# KiCad board Omega-D.kicad_pcb (continued)
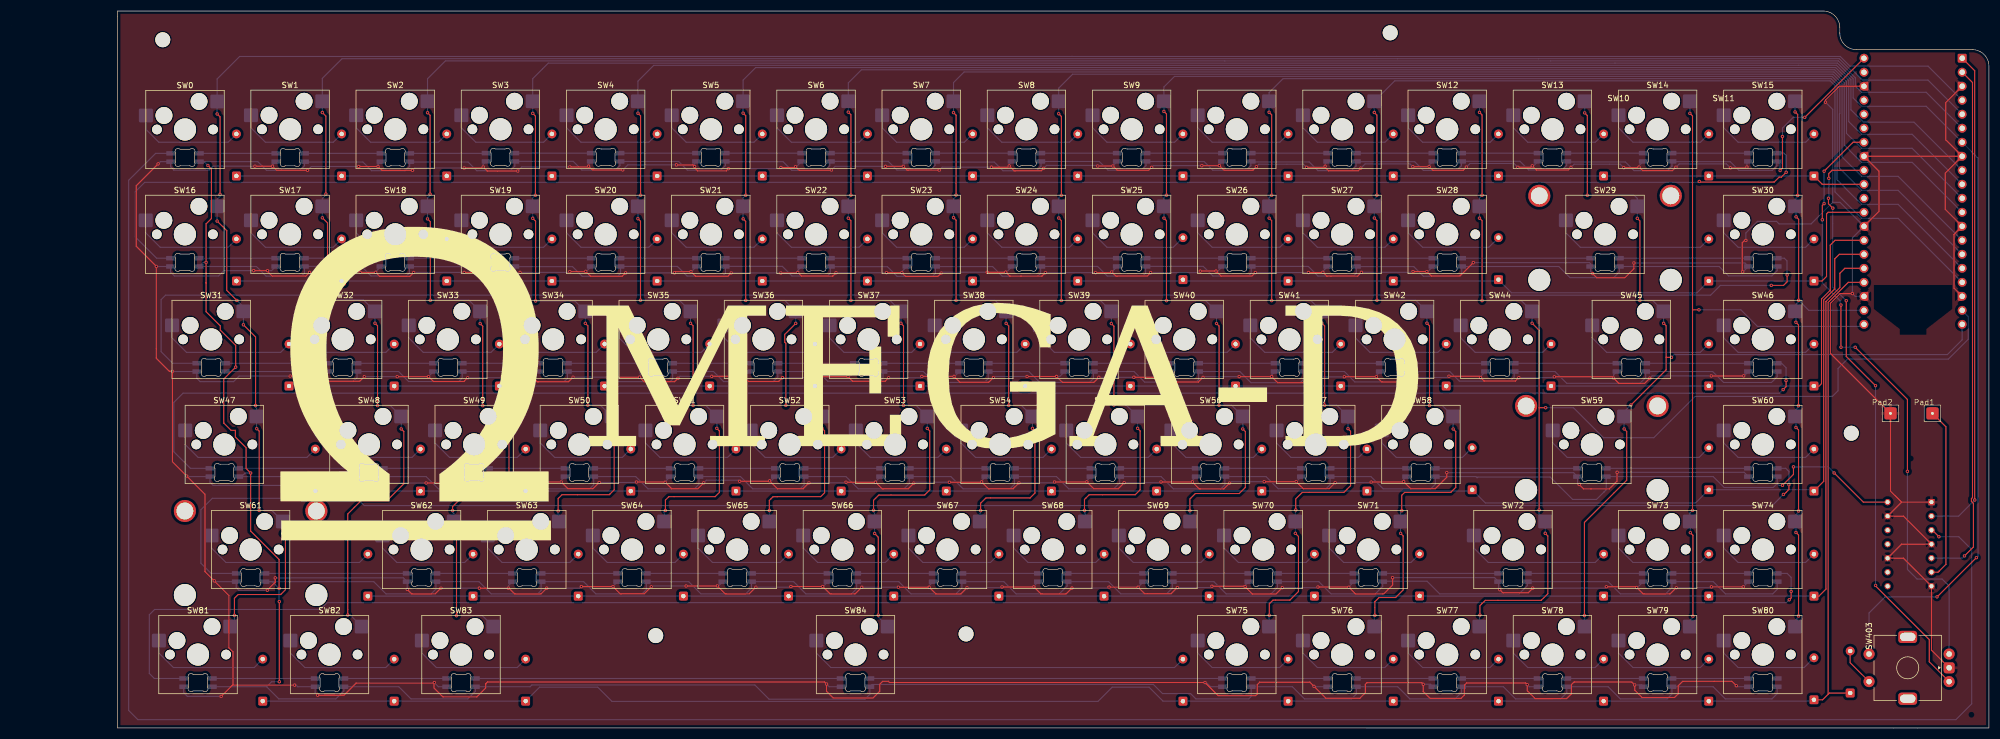
[diagram p0: board, top side]
## Nets
3V3: A2.36
3V3_EN: A2.37
GND: A2.3 A2.8 A2.13 A2.18 A2.23 A2.28 A2.33 A2.38 LED1.4 LED2.4 LED3.4 LED4.4 LED5.4 LED6.4 LED7.4 LED8.4 LED9.4 LED10.4 LED11.4 LED12.4 LED13.4 LED14.4 LED15.4 LED16.4 LED17.4 LED18.4 LED19.4 LED20.4 LED21.4 LED22.4 LED23.4 LED24.4 LED25.4 LED26.4 LED27.4 LED28.4 LED29.4 LED30.4 LED31.4 LED32.4 LED33.4 LED34.4 LED35.4 LED36.4 LED37.4 LED38.4 LED39.4 LED40.4 LED41.4 LED42.4 LED43.4 LED44.4 LED45.4 LED46.4 LED47.4 LED48.4 LED49.4 LED50.4 LED51.4 LED52.4 LED53.4 LED54.4 LED55.4 LED56.4 LED57.4 LED58.4 LED59.4 LED60.4 LED61.4 LED62.4 LED63.4 LED64.4 LED65.4 LED66.4 LED67.4 LED68.4 LED69.4 LED70.4 LED71.4 LED72.4 LED73.4 LED74.4 LED75.4 LED76.4 LED77.4 LED78.4 LED79.4 LED80.4 LED81.4 LED82.4 LED83.4 LED84.4 Pad2.1 SW403.C U1.1 U1.4 U1.7 U1.10 U1.13
VBUS: A2.40 LED1.1 LED2.1 LED3.1 LED4.1 LED5.1 LED6.1 LED7.1 LED8.1 LED9.1 LED10.1 LED11.1 LED12.1 LED13.1 LED14.1 LED15.1 LED16.1 LED17.1 LED18.1 LED19.1 LED20.1 LED21.1 LED22.1 LED23.1 LED24.1 LED25.1 LED26.1 LED27.1 LED28.1 LED29.1 LED30.1 LED31.1 LED32.1 LED33.1 LED34.1 LED35.1 LED36.1 LED37.1 LED38.1 LED39.1 LED40.1 LED41.1 LED42.1 LED43.1 LED44.1 LED45.1 LED46.1 LED47.1 LED48.1 LED49.1 LED50.1 LED51.1 LED52.1 LED53.1 LED54.1 LED55.1 LED56.1 LED57.1 LED58.1 LED59.1 LED60.1 LED61.1 LED62.1 LED63.1 LED64.1 LED65.1 LED66.1 LED67.1 LED68.1 LED69.1 LED70.1 LED71.1 LED72.1 LED73.1 LED74.1 LED75.1 LED76.1 LED77.1 LED78.1 LED79.1 LED80.1 LED81.1 LED82.1 LED83.1 LED84.1 U1.14
1Y: LED1.3 U1.3
2Y: Pad1.1 U1.6
ADC_VREF: A2.35
Column0: A2.4 SW0.2 SW16.2 SW31.2 SW47.2 SW61.2 SW81.2
Column1: A2.5 SW1.2 SW17.2 SW32.2 SW48.2 SW82.2
Column2: A2.6 SW2.2 SW18.2 SW33.2 SW49.2 SW62.2 SW83.2
Column3: A2.7 SW3.2 SW19.2 SW34.2 SW50.2 SW63.2 SW403.S1
Column4: A2.9 SW4.2 SW20.2 SW35.2 SW51.2 SW64.2
Column5: A2.10 SW5.2 SW21.2 SW36.2 SW52.2 SW65.2
Column6: A2.11 SW6.2 SW22.2 SW37.2 SW53.2 SW66.2 SW84.2
Column7: A2.12 SW7.2 SW23.2 SW38.2 SW54.2 SW67.2
Column8: A2.14 SW8.2 SW24.2 SW39.2 SW55.2 SW68.2
Column9: A2.15 SW9.2 SW25.2 SW40.2 SW56.2 SW69.2
Column10: A2.16 SW10.2 SW26.2 SW41.2 SW57.2 SW70.2 SW75.2
Column11: A2.17 SW11.2 SW27.2 SW42.2 SW58.2 SW71.2 SW76.2
Column12: A2.19 SW12.2 SW28.2 SW44.2 SW72.2 SW77.2
Column13: A2.20 SW13.2 SW29.2 SW45.2 SW59.2 SW78.2
Column14: A2.21 SW14.2 SW73.2 SW79.2
Column15: A2.22 SW15.2 SW30.2 SW46.2 SW60.2 SW74.2 SW80.2
Encoder_A: A2.32 SW403.A
Encoder_B: A2.34 SW403.B
GPIO0: A2.1 U1.2
GPIO01: A2.2 U1.5
Row0: A2.31 D1.1 D2.1 D3.1 D4.1 D5.1 D6.1 D7.1 D8.1 D9.1 D10.1 D11.1 D12.1 D13.1 D14.1 D15.1 D43.1
Row1: A2.29 D16.1 D17.1 D18.1 D19.1 D20.1 D21.1 D22.1 D23.1 D24.1 D25.1 D26.1 D27.1 D28.1 D29.1 D30.1
Row2: A2.27 D31.1 D32.1 D33.1 D34.1 D35.1 D36.1 D37.1 D38.1 D39.1 D40.1 D41.1 D42.1 D44.1 D45.1 D46.1
Row3: A2.26 D47.1 D48.1 D49.1 D50.1 D51.1 D52.1 D53.1 D54.1 D55.1 D56.1 D57.1 D58.1 D59.1 D60.1
Row4: A2.25 D61.1 D62.1 D63.1 D64.1 D65.1 D66.1 D67.1 D68.1 D69.1 D71.1 D72.1 D73.1 D74.1 D75.1
Row5: A2.24 D70.1 D76.1 D77.1 D78.1 D79.1 D80.1 D81.1 D82.1 D83.1 D84.1 D85.1
RUN: A2.30
VSYS: A2.39
Net-(D1-A): D1.2 SW0.1
Net-(D2-A): D2.2 SW1.1
Net-(D3-A): D3.2 SW2.1
Net-(D4-A): D4.2 SW3.1
Net-(D5-A): D5.2 SW4.1
Net-(D6-A): D6.2 SW5.1
Net-(D7-A): D7.2 SW6.1
Net-(D8-A): D8.2 SW7.1
Net-(D9-A): D9.2 SW8.1
Net-(D10-A): D10.2 SW9.1
Net-(D11-A): D11.2 SW10.1
Net-(D12-A): D12.2 SW11.1
Net-(D13-A): D13.2 SW12.1
Net-(D14-A): D14.2 SW13.1
Net-(D15-A): D15.2 SW14.1
Net-(D16-A): D16.2 SW16.1
Net-(D17-A): D17.2 SW17.1
Net-(D18-A): D18.2 SW18.1
Net-(D19-A): D19.2 SW19.1
Net-(D20-A): D20.2 SW20.1
Net-(D21-A): D21.2 SW21.1
Net-(D22-A): D22.2 SW22.1
Net-(D23-A): D23.2 SW23.1
Net-(D24-A): D24.2 SW24.1
Net-(D25-A): D25.2 SW25.1
Net-(D26-A): D26.2 SW26.1
Net-(D27-A): D27.2 SW27.1
Net-(D28-A): D28.2 SW28.1
Net-(D29-A): D29.2 SW29.1
Net-(D30-A): D30.2 SW30.1
Net-(D31-A): D31.2 SW31.1
Net-(D32-A): D32.2 SW32.1
Net-(D33-A): D33.2 SW33.1
Net-(D34-A): D34.2 SW34.1
Net-(D35-A): D35.2 SW35.1
Net-(D36-A): D36.2 SW36.1
Net-(D37-A): D37.2 SW37.1
Net-(D38-A): D38.2 SW38.1
Net-(D39-A): D39.2 SW39.1
Net-(D40-A): D40.2 SW40.1
Net-(D41-A): D41.2 SW41.1
Net-(D42-A): D42.2 SW42.1
Net-(D43-A): D43.2 SW15.1
Net-(D44-A): D44.2 SW44.1
Net-(D45-A): D45.2 SW45.1
Net-(D46-A): D46.2 SW46.1
Net-(D47-A): D47.2 SW47.1
Net-(D48-A): D48.2 SW48.1
Net-(D49-A): D49.2 SW49.1
Net-(D50-A): D50.2 SW50.1
Net-(D51-A): D51.2 SW51.1
Net-(D52-A): D52.2 SW52.1
Net-(D53-A): D53.2 SW53.1
Net-(D54-A): D54.2 SW54.1
Net-(D55-A): D55.2 SW55.1
Net-(D56-A): D56.2 SW56.1
Net-(D57-A): D57.2 SW57.1
Net-(D58-A): D58.2 SW58.1
Net-(D59-A): D59.2 SW59.1
Net-(D60-A): D60.2 SW60.1
Net-(D61-A): D61.2 SW61.1
Net-(D62-A): D62.2 SW62.1
Net-(D63-A): D63.2 SW63.1
Net-(D64-A): D64.2 SW64.1
Net-(D65-A): D65.2 SW65.1
Net-(D66-A): D66.2 SW66.1
Net-(D67-A): D67.2 SW67.1
Net-(D68-A): D68.2 SW68.1
Net-(D69-A): D69.2 SW69.1
Net-(D70-A): D70.2 SW403.S2
Net-(D71-A): D71.2 SW70.1
Net-(D72-A): D72.2 SW71.1
Net-(D73-A): D73.2 SW72.1
Net-(D74-A): D74.2 SW73.1
Net-(D75-A): D75.2 SW74.1
Net-(D76-A): D76.2 SW75.1
Net-(D77-A): D77.2 SW76.1
Net-(D78-A): D78.2 SW77.1
Net-(D79-A): D79.2 SW78.1
Net-(D80-A): D80.2 SW79.1
Net-(D81-A): D81.2 SW80.1
Net-(D82-A): D82.2 SW81.1
Net-(D83-A): D83.2 SW82.1
Net-(D84-A): D84.2 SW83.1
Net-(D85-A): D85.2 SW84.1
Net-(LED1-DOUT): LED1.2 LED2.3
Net-(LED2-DOUT): LED2.2 LED3.3
Net-(LED3-DOUT): LED3.2 LED4.3
Net-(LED4-DOUT): LED4.2 LED5.3
Net-(LED5-DOUT): LED5.2 LED6.3
Net-(LED6-DOUT): LED6.2 LED7.3
Net-(LED7-DOUT): LED7.2 LED8.3
Net-(LED8-DOUT): LED8.2 LED9.3
Net-(LED10-DIN): LED9.2 LED10.3
Net-(LED10-DOUT): LED10.2 LED11.3
Net-(LED11-DOUT): LED11.2 LED12.3
Net-(LED12-DOUT): LED12.2 LED13.3
Net-(LED13-DOUT): LED13.2 LED14.3
Net-(LED14-DOUT): LED14.2 LED15.3
Net-(LED15-DOUT): LED15.2 LED16.3
Net-(LED16-DOUT): LED16.2 LED17.3
Net-(LED17-DOUT): LED17.2 LED18.3
Net-(LED18-DOUT): LED18.2 LED19.3
Net-(LED19-DOUT): LED19.2 LED20.3
Net-(LED20-DOUT): LED20.2 LED21.3
Net-(LED21-DOUT): LED21.2 LED22.3
Net-(LED22-DOUT): LED22.2 LED23.3
Net-(LED23-DOUT): LED23.2 LED24.3
Net-(LED24-DOUT): LED24.2 LED25.3
Net-(LED25-DOUT): LED25.2 LED26.3
Net-(LED26-DOUT): LED26.2 LED27.3
Net-(LED27-DOUT): LED27.2 LED28.3
Net-(LED28-DOUT): LED28.2 LED29.3
Net-(LED29-DOUT): LED29.2 LED30.3
Net-(LED30-DOUT): LED30.2 LED31.3
Net-(LED31-DOUT): LED31.2 LED32.3
Net-(LED32-DOUT): LED32.2 LED33.3
Net-(LED33-DOUT): LED33.2 LED34.3
Net-(LED34-DOUT): LED34.2 LED35.3
Net-(LED35-DOUT): LED35.2 LED36.3
Net-(LED36-DOUT): LED36.2 LED37.3
Net-(LED37-DOUT): LED37.2 LED38.3
Net-(LED38-DOUT): LED38.2 LED39.3
Net-(LED39-DOUT): LED39.2 LED40.3
Net-(LED40-DOUT): LED40.2 LED41.3
Net-(LED41-DOUT): LED41.2 LED42.3
Net-(LED42-DOUT): LED42.2 LED43.3
Net-(LED43-DOUT): LED43.2 LED44.3
Net-(LED44-DOUT): LED44.2 LED45.3
Net-(LED45-DOUT): LED45.2 LED46.3
Net-(LED46-DOUT): LED46.2 LED47.3
Net-(LED47-DOUT): LED47.2 LED48.3
Net-(LED48-DOUT): LED48.2 LED49.3
Net-(LED49-DOUT): LED49.2 LED50.3
Net-(LED50-DOUT): LED50.2 LED51.3
Net-(LED51-DOUT): LED51.2 LED52.3
Net-(LED52-DOUT): LED52.2 LED53.3
Net-(LED53-DOUT): LED53.2 LED54.3
Net-(LED54-DOUT): LED54.2 LED55.3
Net-(LED55-DOUT): LED55.2 LED56.3
Net-(LED56-DOUT): LED56.2 LED57.3
Net-(LED57-DOUT): LED57.2 LED58.3
Net-(LED58-DOUT): LED58.2 LED59.3
Net-(LED59-DOUT): LED59.2 LED60.3
Net-(LED60-DOUT): LED60.2 LED61.3
Net-(LED61-DOUT): LED61.2 LED62.3
Net-(LED62-DOUT): LED62.2 LED63.3
Net-(LED63-DOUT): LED63.2 LED64.3
Net-(LED64-DOUT): LED64.2 LED65.3
Net-(LED65-DOUT): LED65.2 LED66.3
Net-(LED66-DOUT): LED66.2 LED67.3
Net-(LED67-DOUT): LED67.2 LED68.3
Net-(LED68-DOUT): LED68.2 LED69.3
Net-(LED69-DOUT): LED69.2 LED70.3
Net-(LED70-DOUT): LED70.2 LED71.3
Net-(LED71-DOUT): LED71.2 LED72.3
Net-(LED72-DOUT): LED72.2 LED73.3
Net-(LED73-DOUT): LED73.2 LED74.3
Net-(LED74-DOUT): LED74.2 LED75.3
Net-(LED75-DOUT): LED75.2 LED76.3
Net-(LED76-DOUT): LED76.2 LED77.3
Net-(LED77-DOUT): LED77.2 LED78.3
Net-(LED78-DOUT): LED78.2 LED79.3
Net-(LED79-DOUT): LED79.2 LED80.3
Net-(LED80-DOUT): LED80.2 LED81.3
Net-(LED81-DOUT): LED81.2 LED82.3
Net-(LED82-DOUT): LED82.2 LED83.3
Net-(LED83-DOUT): LED83.2 LED84.3
Net-(LED84-DOUT): LED84.2

Pads without a net: SW403 MP; U1 8 9 11 12

## Via types
v1: diameter 0.6, hole 0.3, Top to Bottom, 396 vias

## Routing (per net, layer and track width the routed paths; a pad name or vN(x,y) marks a point on that pad's centre or on a via; arc(x,y) is an arc through that point)
GND: length 2272.9
  Top w0.2: v1(215.65,101.96) 218.8,101.96 v1(218.82,101.98) 219.66,101.14 224.88,101.14 v1(225.53,101.79) ; v1(92.18,82.61) 91.48,81.91 85.57,81.91 v1(84.87,82.61) v1(82.06,82.61) ; v1(50.55,63.81) 55.61,63.81 v1(55.62,63.8) 56.55,62.87 63.14,62.87 v1(63.97,63.7) ; v1(197,63.58) 196.09,62.67 190.41,62.67 v1(189.34,63.74) v1(183.99,63.74) ; v1(120.49,102.1) 123.49,102.1 v1(123.78,101.81) 123.78,101.57 124.33,101.02 129.52,101.02 v1(129.93,101.43) ; v1(234.95,82.59) 237.52,82.59 v1(237.57,82.64) 238.28,81.93 243.84,81.93 v1(244.54,82.63) ; v1(286.41,82.4) 287.16,81.65 292.25,81.65 293.88,83.28 v1(293.88,84.32) ; v1(71.75,25.12) 72.55,24.32 76.82,24.32 v1(77.85,25.35) ; v1(168.44,82.48) 167.84,81.88 161.99,81.88 v1(161.32,82.55) 161.31,82.56 v1(158.53,82.56) ; v1(126.89,63.77) v1(132.61,63.77) 133.55,62.83 139.01,62.83 v1(139.71,63.53) ; v1(145.96,63.7) 151.56,63.7 v1(151.57,63.71) 152.41,62.87 152.41,62.86 158.28,62.86 v1(158.92,63.5) ; v1(275.56,25.36) 275.56,25.31 274.77,24.52 270.15,24.52 v1(269.59,25.08) ; v1(312.43,7.67) 311.65,8.45 302.7,8.45 301.92,7.67 301.92,6.2 301.24,5.52 295.37,5.52 294.03,6.86 v1(294.03,7.8) 293.49,8.34 283.06,8.34 282.57,7.85 282.57,6.2 281.7,5.33 279.04,5.33 279.03,5.32 276.01,5.32 274.57,6.76 v1(274.57,7.86) 274.27,8.16 263.58,8.16 263.18,7.76 263.18,5.97 262.57,5.36 256.99,5.36 255.73,6.62 v1(255.73,7.93) 255.44,8.22 245.55,8.22 245.26,7.93 245.26,6.39 244.25,5.38 238.13,5.38 v1(235.96,7.55) 235.2,8.31 226.12,8.31 225.68,7.87 225.68,6.16 225.39,5.87 218.59,5.87 v1(216.22,8.24) 159.1,8.24 158.88,8.46 157.86,8.46 157.32,7.92 157.32,6.68 156.09,5.45 148.88,5.45 147.68,6.65 v1(147.68,7.97) 147.3,8.35 86.28,8.35 85.95,8.02 85.95,7.25 84.34,5.64 78.2,5.64 76.6,7.23 76.6,8.17 v1(76.65,8.22) 76.56,8.13 62.48,8.13 60.3,5.95 v1(55.52,5.95) ; v1(201.58,44.47) 200.49,43.38 196.07,43.38 v1(194.82,44.63) 194.8,44.61 v1(188.99,44.61) ; A2.28 338.26,93.68 338.26,100.96 A2.33 A2.8 ; v1(72.71,101.13) 72.69,101.11 67.16,101.11 v1(66.46,101.81) v1(62.96,101.81) ; v1(279.47,63.68) 289.97,63.68 v1(290.2,63.45) 291.17,62.48 295.81,62.48 v1(296.76,63.43) ; v1(206.56,101.67) 206.02,101.13 200.31,101.13 199.54,101.9 v1(199.53,101.9) v1(196.79,101.9) ; v1(241.43,63.68) 241.44,63.69 v1(247.25,63.69) 248.2,62.74 253.32,62.74 v1(254.14,63.56) ; v1(47.84,27.22) 47.84,26.42 v1(46.4,24.98) ; v1(239.79,44.48) 238.69,43.38 234.01,43.38 v1(232.73,44.66) v1(226.94,44.66) ; v1(230.21,25.44) 229.07,24.3 224.79,24.3 223.48,25.61 v1(223.48,25.64) 223.42,25.7 v1(217.47,25.7) ; v1(177.91,63.54) 177.05,62.68 171.84,62.68 v1(170.77,63.75) v1(164.95,63.75) ; v1(313.76,63.85) 313.75,63.84 v1(307.89,63.84) ; v1(75.17,44.43) 80.35,44.43 v1(80.37,44.45) 81.43,43.39 86.34,43.39 v1(87.4,44.45) ; v1(206.38,82.56) 205.76,81.94 200.08,81.94 v1(199.33,82.69) 199.2,82.56 v1(196.41,82.56) ; v1(43.95,82.93) v1(46.45,82.93) 46.45,82.79 47.3,81.94 53.38,81.94 v1(54.06,82.62) ; v1(168.09,101.16) 168.08,101.15 162.28,101.15 v1(161.58,101.85) 161.57,101.84 v1(158.35,101.84) ; v1(250.19,27.26) 250.19,25.92 248.59,24.32 243.45,24.32 243.45,24.33 v1(242.26,25.52) 242.21,25.57 v1(236.67,25.57) ; v1(225.34,82.58) 224.71,81.95 219.12,81.95 218.22,82.85 v1(218.21,82.85) 215.36,82.85 v1(215.35,82.84) ; v1(160.69,25.52) v1(166.27,25.52) 167.48,24.31 172,24.31 v1(173.12,25.43) ; v1(292.05,101.6) 294.71,101.6 v1(294.82,101.71) 295.46,101.07 300.88,101.07 v1(301.5,101.69) ; v1(82.07,101.54) 85.31,101.54 v1(85.5,101.73) 86.24,100.99 v1(91.76,100.99) ; v1(244.44,101.52) 243.95,101.03 238.58,101.03 237.97,101.64 v1(237.97,101.87) 237.76,101.66 v1(234.62,101.66) ; v1(208.25,44.62) v1(213.93,44.62) 215.19,43.36 219.62,43.36 v1(220.67,44.41) ; v1(103.27,25.64) v1(109.01,25.64) 110.31,24.34 114.67,24.34 v1(115.94,25.61) ; v1(134.89,25.53) 133.68,24.32 129.35,24.32 v1(127.91,25.76) 127.9,25.75 v1(122.25,25.75) ; v1(314.16,88.41) 313.95,88.41 313.51,87.97 313.51,82.79 v1(313.59,82.71) ; v1(333.46,78.77) 331.23,78.77 329.46,77 329.46,67.93 Pad2.1 340.35,42.97 342.37,40.95 ; v1(272.87,101.67) 275.23,101.67 v1(275.49,101.93) 276.22,101.2 276.22,101.19 282.02,101.19 v1(282.49,101.66) ; v1(130.41,82.51) 129.81,81.91 123.94,81.91 123.94,81.93 v1(123.13,82.74) 120.34,82.74 v1(120.13,82.53) ; SW403.C 347.77,14.11 U1.7 342.69,30.79 U1.10 342.37,33.33 U1.4 342.69,38.41 U1.13 342.37,40.95 ; v1(260,46.29) 260,45.48 257.9,43.38 253.47,43.38 v1(252.18,44.67) 252.1,44.59 v1(246.3,44.59) ; v1(187,101.49) 186.55,101.04 181.63,101.04 v1(180.75,101.92) 180.52,101.69 v1(177.55,101.69) ; A2.8 350.28,100.62 350.28,94.02 A2.13 351.85,89.49 351.85,79.75 A2.18 ; A2.8 350.35,106.65 350.35,113.39 A2.3 ; v1(82.69,63.51) 82,62.82 76.5,62.82 v1(75.61,63.71) v1(69.93,63.71) ; v1(301.56,25.43) 300.45,24.32 295.54,24.32 v1(294.39,25.47) 294.25,25.61 v1(288.9,25.61) ; v1(141.23,25.65) v1(146.98,25.65) 148.31,24.32 152.86,24.32 v1(154.06,25.52) ; v1(101.19,101.74) 104.45,101.74 v1(104.59,101.88) 105.28,101.19 v1(110.78,101.19) ; v1(144.5,44.45) 143.42,43.37 138.8,43.37 v1(137.37,44.8) 137.31,44.74 v1(131.95,44.74) ; v1(113.25,44.6) 118.41,44.6 v1(118.45,44.56) 119.63,43.38 124.37,43.38 v1(125.43,44.44) ; 40.09,7.77 v1(51.35,7.77) ; 40.09,7.77 40.2,7.88 40.2,13.79 39.45,14.53 39.45,24.03 v1(36.81,26.67) 35.12,28.36 35.12,42.38 v1(31.81,45.69) 29.23,48.27 v1(29.23,64.68) 28.67,64.68 26.32,67.03 v1(26.32,83.69) 22.68,87.33 22.68,98.33 v1(26.64,102.29) ; 40.09,7.77 v1(38.05,5.73) ; v1(234.89,63.57) 233.93,62.61 229.38,62.61 v1(228.29,63.7) 228.28,63.71 v1(222.4,63.71) ; v1(139.39,82.5) 142.37,82.5 v1(142.47,82.6) 142.49,82.6 143.16,81.93 148.78,81.93 148.79,81.92 149.4,82.53 v1(149.4,82.54) ; v1(264.8,84.38) 262.39,81.97 257.17,81.97 257.17,81.98 v1(256.39,82.76) v1(253.89,82.76) ; v1(192.12,25.37) 191.06,24.31 186.5,24.31 v1(185.22,25.59) 185.21,25.58 v1(179.47,25.58) ; v1(273.05,63.53) 272.43,62.91 266.73,62.91 266.73,62.92 v1(266.11,63.54) 265.87,63.78 v1(260.4,63.78) ; v1(108,63.61) v1(113.82,63.61) 114.63,62.8 120.16,62.8 v1(120.78,63.42) ; v1(63.22,82.61) v1(66.04,82.61) 66.76,81.89 72.22,81.89 v1(72.92,82.59) ; v1(68.32,44.41) 67.29,43.38 62.67,43.38 v1(61.34,44.71) v1(55.49,44.71) ; v1(97,25.35) 95.96,24.31 91.21,24.31 90.17,25.35 v1(90.08,25.35) v1(84.79,25.35) ; v1(290.84,46.36) 290.84,44.77 289.43,43.36 284.76,43.36 v1(283.97,44.15) ; v1(253.85,101.77) 256.77,101.77 v1(256.8,101.8) 257.48,101.12 262.97,101.12 v1(263.55,101.7) ; v1(148.55,101.17) 148.51,101.13 142.71,101.13 v1(142.07,101.77) 141.93,101.63 v1(139.41,101.63) ; v1(307.93,25.59) v1(313.7,25.59) ; v1(151.21,44.57) v1(156.55,44.57) 157.75,43.37 162.46,43.37 v1(163.49,44.4) ; v1(215.86,63.57) 215.01,62.72 210.15,62.72 v1(209.2,63.67) 209.12,63.59 v1(203.34,63.59) ; v1(182.53,44.45) 181.45,43.37 177.01,43.37 v1(175.76,44.62) 175.7,44.56 v1(169.93,44.56) ; v1(211.19,25.46) 210.08,24.35 205.27,24.35 v1(204.1,25.52) 204.08,25.54 v1(198.84,25.54) ; v1(101.78,63.61) 100.95,62.78 95.3,62.78 v1(94.35,63.73) v1(88.96,63.73) ; v1(53.7,101.13) 53.69,101.14 48.07,101.14 v1(47.34,101.87) v1(44.16,101.87) ; v1(311.37,101.56) 314.19,101.56 v1(314.35,101.71) ; A2.38 331.08,116.37 328.57,113.86 v1(328.57,113.48) ; v1(187.32,82.56) 186.69,81.93 180.86,81.93 v1(180.14,82.65) 180.13,82.64 v1(176.78,82.64) ; v1(106.51,44.51) 105.4,43.4 100.84,43.4 v1(99.63,44.61) 99.62,44.6 v1(93.88,44.6) ; 342.37,40.95 U1.1 ; v1(111.29,82.52) 110.67,81.9 104.97,81.9 v1(104.08,82.79) 104.04,82.75 v1(101.19,82.75)
  Bottom w0.2: LED15.4 294.82,101.97 v1(294.82,101.71) ; v1(244.54,82.63) 253.76,82.63 v1(253.89,82.76) ; LED74.4 313.7,25.6 v1(313.7,25.59) ; v1(273.05,63.53) 279.32,63.53 v1(279.47,63.68) ; v1(26.32,83.69) 26.33,83.68 LED17.4 28.88,82.67 29.59,81.96 37.58,81.96 38.55,82.93 v1(43.95,82.93) ; v1(328.57,113.48) 329.88,112.17 329.88,95.31 ; v1(123.13,82.74) 123.19,82.74 LED22.4 ; v1(158.35,101.84) 149.22,101.84 v1(148.55,101.17) ; v1(220.67,44.41) 220.92,44.66 v1(226.94,44.66) ; A2.23 333.96,78.27 v1(333.46,78.77) 333.46,88.88 A2.28 331.21,95.31 329.88,95.31 ; v1(144.5,44.45) 151.09,44.45 v1(151.21,44.57) ; v1(101.19,101.74) 92.51,101.74 v1(91.76,100.99) ; v1(63.22,82.61) 63.21,82.62 v1(54.06,82.62) ; LED78.4 148.17,7.48 v1(147.68,7.97) ; v1(301.5,101.69) 302.09,102.28 310.64,102.28 v1(311.37,101.56) ; v1(127.91,25.76) 128.12,25.76 LED65.4 ; v1(36.81,26.67) 36.95,26.53 LED61.4 40.79,25.44 41.26,24.97 46.39,24.97 v1(46.4,24.98) ; v1(228.29,63.7) 228.29,64.01 LED42.4 ; v1(75.61,63.71) 75.61,63.73 LED34.4 ; v1(237.97,101.87) 237.97,102.27 LED12.4 ; v1(199.53,101.9) 199.53,101.93 LED10.4 ; v1(55.49,44.71) 55.48,44.72 53.21,44.72 52.47,43.98 36.59,43.98 36.02,44.55 36.02,45.57 LED47.4 31.92,45.58 v1(31.81,45.69) ; v1(255.73,7.93) 257.03,7.93 LED81.4 ; v1(103.27,25.64) 102.98,25.35 v1(97,25.35) ; v1(286.41,82.4) 286.05,82.76 LED30.4 286.05,84.17 285.85,84.38 v1(264.8,84.38) ; v1(208.25,44.62) 208.1,44.47 v1(201.58,44.47) ; LED28.4 237.57,82.82 v1(237.57,82.64) ; v1(274.57,7.86) 274.95,7.48 LED82.4 ; v1(62.96,101.81) 54.38,101.81 v1(53.7,101.13) ; v1(209.2,63.67) 209.2,63.97 LED41.4 ; v1(180.14,82.65) 180.25,82.65 LED25.4 ; LED16.4 314.35,102.45 v1(314.35,101.71) ; v1(120.78,63.42) 121.13,63.77 v1(126.89,63.77) ; v1(132.61,63.77) 132.79,63.77 LED37.4 ; v1(38.05,5.73) 31.93,5.73 31.26,6.4 LED75.4 ; v1(213.93,44.62) 213.93,44.89 LED56.4 ; v1(198.84,25.54) 198.67,25.37 v1(192.12,25.37) ; v1(242.26,25.52) 242.26,25.6 LED71.4 ; LED67.4 166.27,25.81 v1(166.27,25.52) ; LED36.4 113.82,63.84 v1(113.82,63.61) ; v1(312.43,7.67) 312.62,7.48 LED84.4 ; v1(234.95,82.59) 234.94,82.58 v1(225.34,82.58) ; LED73.4 294.52,25.47 v1(294.39,25.47) ; v1(76.65,8.22) 77.39,7.48 LED77.4 ; v1(63.97,63.7) 63.98,63.71 v1(69.93,63.71) ; v1(168.44,82.48) 168.6,82.64 v1(176.78,82.64) ; v1(106.51,44.51) 113.16,44.51 v1(113.25,44.6) ; v1(134.89,25.53) 141.11,25.53 v1(141.23,25.65) ; v1(154.06,25.52) v1(160.69,25.52) ; LED66.4 147.06,25.65 v1(146.98,25.65) ; v1(88.96,63.73) 88.74,63.51 v1(82.69,63.51) ; v1(50.55,63.81) 41.31,63.81 40.3,62.8 34.24,62.8 33.64,63.39 LED32.4 29.28,64.63 v1(29.23,64.68) ; v1(51.35,7.77) 51.63,7.77 51.92,7.48 LED76.4 55.07,6.39 v1(55.52,5.95) ; v1(151.57,63.71) 151.78,63.71 LED38.4 ; LED13.4 256.8,102.05 v1(256.8,101.8) ; v1(55.62,63.8) 56.61,63.8 56.63,63.82 56.64,63.82 LED33.4 ; v1(109.01,25.64) 109.01,25.7 LED64.4 ; v1(301.56,25.43) 307.77,25.43 v1(307.93,25.59) ; v1(75.17,44.43) 75.15,44.41 v1(68.32,44.41) ; LED50.4 99.63,44.89 v1(99.63,44.61) ; v1(216.22,8.24) 216.47,8.24 217.23,7.48 LED79.4 ; v1(71.75,25.12) 71.74,25.12 LED62.4 71.05,27.22 v1(47.84,27.22) ; v1(142.07,101.77) 142.22,101.77 LED7.4 ; LED24.4 161.32,82.77 v1(161.32,82.55) ; v1(282.49,101.66) 283.06,102.23 291.42,102.23 v1(292.05,101.6) ; v1(61.34,44.71) 61.35,44.71 LED48.4 ; v1(234.89,63.57) 234.98,63.66 241.41,63.66 v1(241.43,63.68) ; v1(92.18,82.61) 101.05,82.61 v1(101.19,82.75) ; v1(194.82,44.63) 194.82,44.83 LED55.4 ; v1(293.88,84.32) 313.99,84.32 LED31.4 313.66,82.71 v1(313.59,82.71) ; v1(206.38,82.56) 215.07,82.56 v1(215.35,82.84) ; 329.88,95.31 325.97,91.4 320.18,91.4 319.72,91.86 316.26,91.86 314.16,89.76 v1(314.16,88.41) ; v1(217.47,25.7) 217.23,25.46 v1(211.19,25.46) ; LED40.4 189.91,63.74 v1(189.34,63.74) ; v1(131.95,44.74) 131.76,44.93 125.92,44.93 v1(125.43,44.44) ; v1(275.56,25.36) 288.65,25.36 v1(288.9,25.61) ; v1(290.2,63.45) 290.2,64.01 LED45.4 ; v1(177.91,63.54) 178.11,63.74 v1(183.99,63.74) ; v1(158.92,63.5) 164.7,63.5 v1(164.95,63.75) ; v1(175.76,44.62) 175.76,44.82 LED54.4 ; v1(122.25,25.75) 116.08,25.75 v1(115.94,25.61) ; LED83.4 295.26,7.8 v1(294.03,7.8) ; v1(180.75,101.92) 180.75,102.2 LED9.4 ; v1(188.99,44.61) 188.83,44.45 v1(182.53,44.45) ; v1(236.67,25.57) 236.54,25.44 v1(230.21,25.44) ; v1(93.88,44.6) 93.73,44.45 v1(87.4,44.45) ; v1(222.4,63.71) 216,63.71 v1(215.86,63.57) ; LED2.4 47.34,102.08 v1(47.34,101.87) ; v1(232.73,44.66) 232.75,44.66 LED57.4 ; v1(120.49,102.1) 120.48,102.11 111.7,102.11 v1(110.78,101.19) ; v1(206.56,101.67) 206.86,101.97 215.64,101.97 v1(215.65,101.96) ; v1(275.49,101.93) 275.73,101.93 LED14.4 ; v1(104.59,101.88) 104.59,102.24 LED5.4 ; v1(263.55,101.7) 264.21,102.36 272.18,102.36 v1(272.87,101.67) ; v1(137.37,44.8) 137.64,44.8 LED52.4 ; v1(199.33,82.69) 199.8,83.16 199.81,83.16 LED26.4 ; v1(158.53,82.56) 158.51,82.54 v1(149.4,82.54) ; v1(46.45,82.93) 47.18,82.93 LED18.4 ; v1(80.37,44.45) 80.37,44.68 LED49.4 ; v1(72.71,101.13) 73.12,101.54 v1(82.07,101.54) ; v1(118.45,44.56) 118.45,44.66 LED51.4 ; LED58.4 252.18,45.04 v1(252.18,44.67) ; v1(313.76,63.85) 313.85,63.85 LED46.4 ; v1(223.48,25.64) 223.48,25.87 LED70.4 ; LED3.4 66.46,102.15 v1(66.46,101.81) ; v1(82.06,82.61) 72.94,82.61 v1(72.92,82.59) ; v1(111.29,82.52) 120.12,82.52 v1(120.13,82.53) ; v1(196.79,101.9) 196.68,102.01 187.52,102.01 v1(187,101.49) ; v1(169.93,44.56) 163.65,44.56 v1(163.49,44.4) ; v1(244.44,101.52) 245.2,102.28 253.34,102.28 v1(253.85,101.77) ; v1(26.64,102.29) 27.04,102.69 LED1.4 28.9,101.76 29.47,101.2 29.47,101.15 35.84,101.15 36.56,101.87 v1(44.16,101.87) ; v1(123.78,101.81) 123.78,102.38 LED6.4 ; LED68.4 185.22,25.71 v1(185.22,25.59) ; LED19.4 66.04,82.74 v1(66.04,82.61) ; LED43.4 247.25,63.92 v1(247.25,63.69) ; v1(161.58,101.85) 161.58,102.08 LED8.4 ; v1(203.34,63.59) 203.33,63.58 v1(197,63.58) ; v1(85.5,101.73) 85.5,102.2 LED4.4 ; LED21.4 104.19,82.79 v1(104.08,82.79) ; v1(130.41,82.51) 139.38,82.51 v1(139.39,82.5) ; v1(225.53,101.79) 225.97,102.23 234.05,102.23 v1(234.62,101.66) ; v1(173.12,25.43) 179.32,25.43 v1(179.47,25.58) ; v1(218.21,82.85) 218.55,82.85 LED27.4 ; v1(283.97,44.15) 283.67,44.44 LED59.4 282.96,46.29 v1(260,46.29) ; v1(250.19,27.26) 268.66,27.26 LED72.4 269.39,25.28 v1(269.59,25.08) ; v1(90.08,25.35) 90.08,25.82 LED63.4 ; v1(145.96,63.7) 145.79,63.53 v1(139.71,63.53) ; v1(235.96,7.55) 236.03,7.48 LED80.4 ; v1(177.55,101.69) 168.62,101.69 v1(168.09,101.16) ; v1(77.85,25.35) v1(84.79,25.35) ; LED23.4 142.47,82.97 v1(142.47,82.6) ; LED69.4 204.1,25.54 v1(204.1,25.52) ; v1(101.78,63.61) v1(108,63.61) ; LED60.4 313.85,46.36 v1(290.84,46.36) ; v1(307.89,63.84) 297.17,63.84 v1(296.76,63.43) ; LED35.4 94.65,63.73 v1(94.35,63.73) ; v1(84.87,82.61) 84.96,82.61 LED20.4 ; v1(260.4,63.78) 260.18,63.56 v1(254.14,63.56) ; v1(187.32,82.56) v1(196.41,82.56) ; LED11.4 218.82,102.17 v1(218.82,101.98) ; v1(256.39,82.76) 256.56,82.76 LED29.4 ; LED44.4 266.11,63.73 v1(266.11,63.54) ; v1(139.41,101.63) 139.21,101.43 v1(129.93,101.43) ; v1(239.79,44.48) 246.19,44.48 v1(246.3,44.59) ; v1(156.55,44.57) 156.55,44.66 LED53.4 ; v1(170.77,63.75) 170.87,63.75 LED39.4
VBUS: length 2039.4
  Top w0.2: v1(48.58,22.92) 48.58,8.39 v1(48.59,8.38) ; v1(330.14,46.25) 335.44,40.95 U1.14 ; v1(320.79,43.99) 322.78,45.98 v1(322.78,47.35) ; v1(320.36,101.08) 320.79,101.51 v1(320.79,107.25) ; 35.32,80.7 35.32,75.49 37.9,72.91 37.9,72.15 40.68,69.37 v1(40.68,65.44) 38.52,63.28 38.52,55.27 38.55,55.27 39.85,53.97 40.63,53.97 40.63,52.75 42.57,50.81 42.57,47.05 v1(43.39,46.23) 43.39,35.7 48.55,30.54 v1(48.55,25.31) ; 35.32,80.7 35.28,80.74 ; 35.32,80.7 v1(35.32,84.43) 35.32,91.4 36.29,92.37 36.29,101.36 v1(35.65,102) ; A2.40 v1(324.82,110.72)
  Bottom w0.2: 91.26,83.65 91.26,82.44 90.73,81.91 84.31,81.91 82.57,83.65 72.21,83.65 ; v1(320.36,101.08) 320.36,102.2 LED16.1 ; 167.32,102.74 167.32,102 166.49,101.17 160.43,101.17 158.86,102.74 148.27,102.74 ; 110.27,102.74 110.27,102 109.44,101.17 103.38,101.17 101.8,102.74 91.22,102.74 ; LED74.1 319.83,25.12 319.02,24.31 310.47,24.31 308.26,26.53 LED73.1 300.78,25.47 299.62,24.31 291.44,24.31 289.23,26.53 LED72.1 274.59,25.81 273.09,24.31 258.71,24.31 256.42,26.61 248.47,26.61 LED71.1 248.39,25.66 247.04,24.31 239.04,24.31 236.83,26.53 LED70.1 229.34,25.48 228.17,24.31 220.04,24.31 217.83,26.53 LED69.1 210.29,25.36 209.24,24.31 200.97,24.31 198.76,26.53 LED68.1 191.24,25.73 189.82,24.31 182,24.31 179.79,26.53 LED67.1 172.19,25.39 171.11,24.31 162.97,24.31 160.76,26.53 LED66.1 153.14,25.26 152.19,24.31 143.93,24.31 141.72,26.53 LED65.1 134.09,25.37 133.03,24.31 124.93,24.31 122.72,26.53 LED64.1 115.04,25.1 114.25,24.31 105.9,24.31 103.69,26.53 LED63.1 95.99,24.93 95.37,24.31 86.95,24.31 84.74,26.53 LED62.1 76.94,25.18 76.07,24.31 67.9,24.31 65.69,26.53 LED61.1 47.33,26.53 v1(48.55,25.31) 48.55,22.95 v1(48.58,22.92) ; 243.62,83.69 243.62,82.48 243.09,81.95 236.67,81.95 234.93,83.69 224.57,83.69 ; LED84.1 319.83,6.22 318.88,5.27 310.44,5.27 308.23,7.48 LED83.1 300.78,6.16 299.89,5.27 291.43,5.27 289.22,7.48 LED82.1 281.73,6.38 280.62,5.27 272.46,5.27 270.25,7.48 LED81.1 262.68,6.47 261.48,5.27 253.32,5.27 251.11,7.48 LED80.1 243.63,6.16 242.74,5.27 234.25,5.27 232.04,7.48 LED79.1 224.58,5.71 224.14,5.27 214.57,5.27 213.6,6.24 208.52,6.24 206.87,7.89 155.93,7.89 LED78.1 155.52,6.1 154.64,5.22 137.27,5.22 134.69,7.8 94.32,7.8 94,7.48 LED77.1 84.09,6.64 82.72,5.27 72.43,5.27 70.22,7.48 LED76.1 60.27,6.72 58.82,5.27 48.49,5.27 46.28,7.48 ; v1(320.79,43.99) 320.16,43.99 319.83,44.32 ; 319.77,101.96 319.77,102.78 ; 129.36,102.72 129.36,101.98 128.53,101.15 122.47,101.15 120.9,102.72 110.31,102.72 ; 262.66,102.76 273.25,102.76 274.82,101.19 280.88,101.19 281.71,102.02 281.71,102.76 ; 72.19,102.62 72.19,101.88 71.36,101.05 65.3,101.05 63.72,102.62 53.14,102.62 ; 319.83,44.32 319.11,43.6 310.23,43.6 308.25,45.58 LED59.1 288.87,43.19 288.46,42.78 288.45,42.78 287.11,41.44 282.79,41.44 278.73,45.5 265.62,45.5 265.49,45.37 265.28,45.58 LED58.1 257.92,44.19 257.09,43.36 248.49,43.36 246.27,45.58 LED57.1 238.87,44.12 238.13,43.38 229.47,43.38 227.27,45.58 LED56.1 219.82,44.1 219.08,43.36 210.49,43.36 208.27,45.58 LED55.1 200.77,44.46 199.67,43.36 191.54,43.36 189.32,45.58 LED54.1 181.72,44.2 180.88,43.36 172.42,43.36 170.2,45.58 LED53.1 162.67,44.34 161.69,43.36 153.42,43.36 151.2,45.58 LED52.1 143.62,44.08 142.9,43.36 134.32,43.36 132.1,45.58 LED51.1 124.57,44.19 123.74,43.36 115.35,43.36 113.13,45.58 LED50.1 105.52,44.1 104.78,43.36 96.34,43.36 94.11,45.59 94.1,45.58 LED49.1 86.47,44.08 85.75,43.36 77.39,43.36 75.17,45.58 LED48.1 67.42,44.23 66.55,43.36 58.06,43.36 55.83,45.59 55.82,45.58 41.22,45.58 41.74,45.58 42.39,46.23 v1(43.39,46.23) ; 319.83,44.32 LED60.1 ; 91.23,102.62 91.23,101.88 90.4,101.05 84.34,101.05 82.76,102.62 72.18,102.62 ; LED29.1 280.29,83.68 282.31,81.66 290.23,81.66 291.25,82.68 LED30.1 309.32,83.68 311.02,81.98 318.88,81.98 319.83,82.93 LED31.1 ; 91.33,83.65 101.69,83.65 103.43,81.91 109.85,81.91 110.38,82.44 110.38,83.65 ; 205.46,83.69 205.46,82.48 204.93,81.95 198.51,81.95 196.77,83.69 186.41,83.69 ; 224.51,102.63 235.1,102.63 236.67,101.06 242.73,101.06 243.56,101.89 243.56,102.63 ; 110.32,83.69 120.68,83.69 122.42,81.95 128.84,81.95 129.37,82.48 129.37,83.69 ; 167.4,83.64 167.4,82.43 166.87,81.9 160.45,81.9 158.71,83.64 148.35,83.64 ; v1(330.14,46.25) 329.04,47.35 v1(322.78,47.35) ; v1(40.68,65.44) 39.87,64.63 LED32.1 51.19,64.63 53,62.82 61.94,62.82 62.65,63.53 LED33.1 70.19,64.63 72,62.82 81.09,62.82 81.7,63.43 LED34.1 89.12,64.63 90.97,62.78 100.13,62.78 100.77,63.42 100.75,63.43 LED35.1 108.14,64.63 109.97,62.8 119.34,62.8 119.79,63.25 119.79,63.34 119.8,63.35 LED36.1 127.21,64.63 129.03,62.81 138.05,62.81 138.1,62.86 138.1,62.87 138.85,63.62 LED37.1 146.14,64.63 147.9,62.87 157.34,62.87 157.9,63.43 LED38.1 165.2,64.63 167.17,62.66 176.25,62.66 176.95,63.36 LED39.1 184.32,64.63 186.29,62.66 195.31,62.66 196,63.35 LED40.1 203.37,64.63 205.28,62.72 214.61,62.72 215.05,63.16 LED41.1 222.52,64.63 224.54,62.61 233.47,62.61 234.1,63.24 LED42.1 241.46,64.63 243.34,62.75 252.49,62.75 253.15,63.41 LED43.1 260.54,64.63 262.27,62.9 271.48,62.9 272.2,63.62 LED44.1 279.59,64.63 281.72,62.5 294.96,62.5 294.97,62.49 296.02,63.54 LED45.1 308.15,64.63 310.13,62.65 318.8,62.65 319.83,63.68 LED46.1 ; v1(35.32,84.43) 34.83,84.43 LED17.1 44.44,83.68 46.18,81.94 52.6,81.94 53.13,82.47 LED18.1 ; 224.59,83.7 224.59,82.49 224.06,81.96 217.64,81.96 215.9,83.7 205.54,83.7 ; LED2.1 53.15,101.95 52.32,101.12 46.26,101.12 44.69,102.69 LED1.1 34.96,102.69 v1(35.65,102) ; 281.75,102.63 292.34,102.63 293.91,101.06 299.97,101.06 300.8,101.89 300.78,101.91 LED15.1 ; 300.74,102.68 311.32,102.68 312.89,101.11 318.95,101.11 319.79,101.94 ; 148.37,83.7 148.37,82.49 147.84,81.96 141.42,81.96 139.68,83.7 129.32,83.7 ; v1(48.59,8.38) 47.18,8.38 46.28,7.48 ; 72.14,83.71 72.14,82.5 71.61,81.97 65.19,81.97 63.45,83.71 53.09,83.71 ; 224.52,102.71 224.52,101.97 223.69,101.14 217.63,101.14 216.06,102.71 205.47,102.71 ; 186.45,83.66 186.45,82.45 185.92,81.92 179.5,81.92 177.76,83.66 167.4,83.66 ; v1(324.82,110.72) 322.73,110.72 320.79,108.77 v1(320.79,107.25) ; 46.28,7.48 LED75.1 ; 243.66,83.66 254.02,83.66 255.76,81.92 262.18,81.92 262.71,82.45 262.71,83.66 ; 167.47,102.61 178.06,102.61 179.63,101.04 185.69,101.04 186.52,101.87 186.52,102.61 ; 129.21,102.69 139.8,102.69 141.37,101.12 147.43,101.12 148.26,101.95 148.26,102.69 ; 186.48,102.72 197.07,102.72 198.64,101.15 204.7,101.15 205.53,101.98 205.53,102.72 ; 243.6,102.68 254.19,102.68 255.76,101.11 261.82,101.11 262.65,101.94 262.65,102.68
